# Altium PCB BreakOutBoard_Cyclone.PcbDoc (part 1 of 7)
Units mm, origin at the board's own origin, x right, y up, seen from the top; angles counter-clockwise.
Board outline 360 x 235.6 mm, 2 copper layers (Top Layer, Bottom Layer); 147 components, 203 nets, 2829 pads, 104 vias.
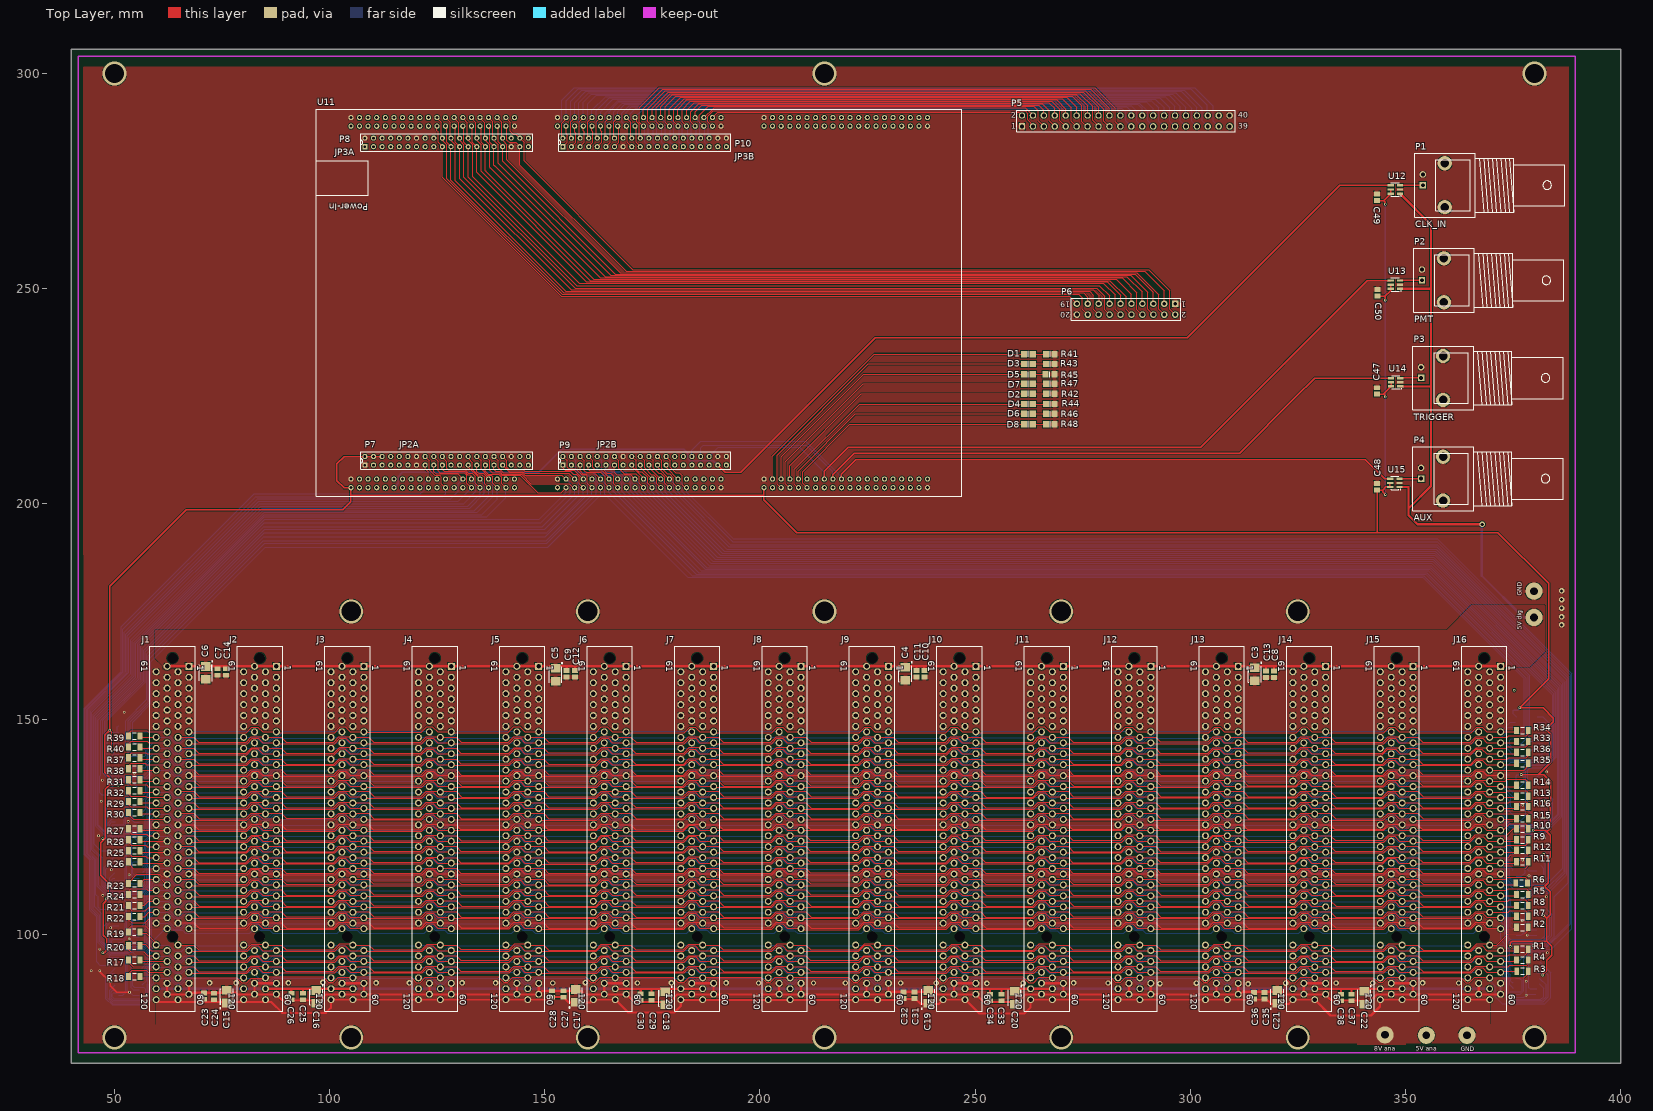
[diagram p0: Top Layer view]
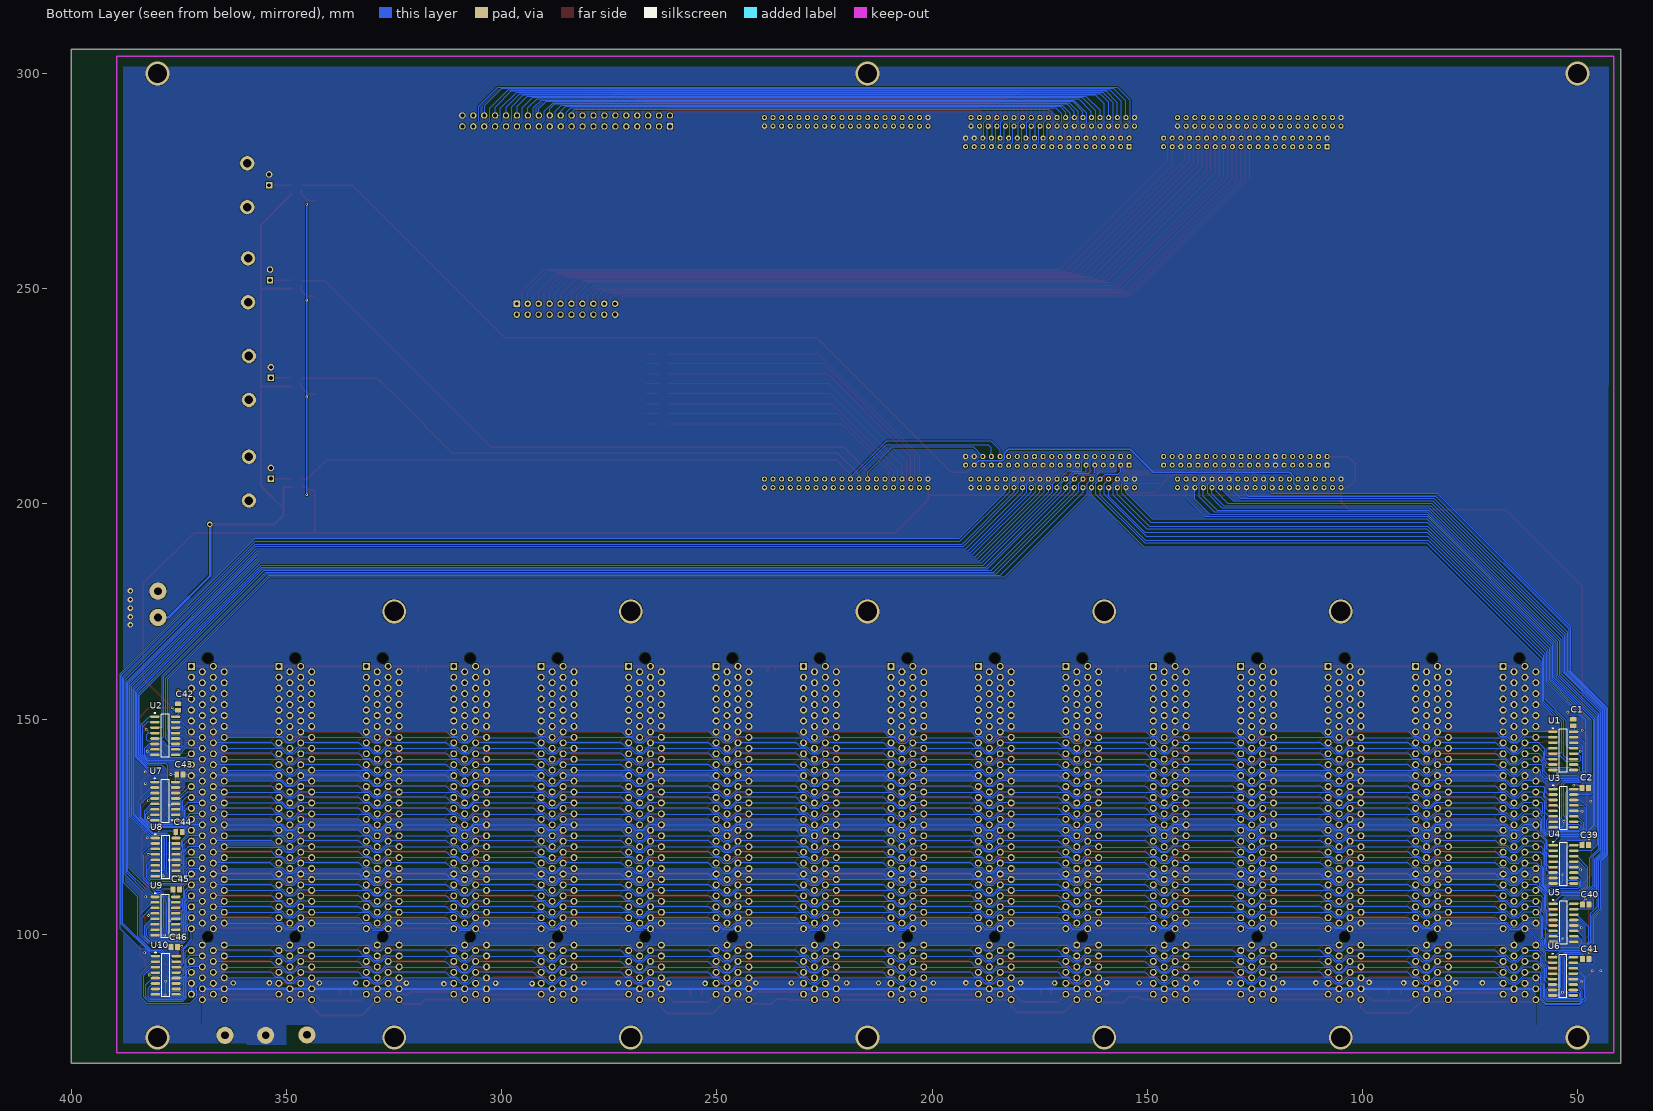
[diagram p1: Bottom Layer view, seen from below]

## Layer stack, top to bottom
Top Layer: signal copper 0.0356
Dielectric: dielectric 0.32, FR-4, Dk 4.8
Bottom Layer: signal copper 0.0356

## Board outline
40,70 40,305.6 400,305.6 400,70

## Design rules (kind name [scope] priority, off if disabled: settings)
Clearance Clearance_Polygon [InPolygon] p1: gap=0.175
Clearance [All] p2: gap=0.15
HoleSize [All] p1: absolutevalues=TRUE maxlimit=10 minlimit=0.025 maxpercent=80.000 minpercent=20.000
MinimumSolderMaskSliver [All] p1: minsoldermaskwidth=0.127
PolygonConnect PolygonConnect_power_analog8 [InNet('8V_BUS') vs (InPadClass('All Pads'))] p1: connectstyle=Direct reliefconductorwidth=0.254 reliefentries=4 polygonreliefangle="90 Angle"
PolygonConnect PolygonConnect_power_analog5 [InNet('5V_ANA_BUS') vs (InPadClass('All Pads'))] p2: connectstyle=Direct reliefconductorwidth=0.254 reliefentries=4 polygonreliefangle="90 Angle"
PolygonConnect [All] p3: connectstyle=Relief reliefconductorwidth=1 reliefentries=4 polygonreliefangle="90 Angle"
RoomDefinition BreakOutBoard_Cyclone [InComponentClass('BreakOutBoard_Cyclone')] p1: confinementstyle=ConfineIn formatcopy=TRUE lockcomponents=FALSE outline 101.346,57.658 111.506,57.658 111.506,50.038 101.346,50.038
RoutingVias [All] p1: holewidth=0.3 width=0.6 viastyle="Through Hole" minholewidth=0.3 minwidth=0.6 maxholewidth=0.711 maxwidth=1.27
SilkToSilkClearance [All] p1: silktosilkclearance=0.127
SilkscreenOverComponentPads [All] p1: minsilkscreentomaskgap=0.254
SolderMaskExpansion [All] p1: expansion=0.102
Width [All] p1: maxlimit=0.5 minlimit=0.15 preferedwidth=0.5
24 further rules are at their usual default settings.

## Components (designator, comment, footprint, x,y, rotation, side; value= is the part's Value field where it differs from the comment)
C1 "Cap Semi" CAPC2012L 51,149.2 r90 bottom
C2 "Cap Semi" CAPC2012L 48.2,134 r180 bottom
C3 "Cap Pol1" B 315,160.4 r270 top
C4 "Cap Pol1" B 233.8,160.5 r270 top
C5 "Cap Pol1" B 152.5,160.3 r270 top
C6 "Cap Pol1" B 71.2,160.7 r270 top
C7 "Cap Semi" CAPC2012L 73.9,160.9 r90 top
C8 "Cap Semi" CAPC2012L 319.5,160.4 r90 top
C9 "Cap Semi" CAPC2012L 155.1,160.5 r90 top
C10 "Cap Semi" CAPC2012L 238.2,160.5 r90 top
C11 "Cap Semi" CAPC2012L 236.4,160.5 r90 top
C12 "Cap Semi" CAPC2012L 157,160.5 r90 top
C13 "Cap Semi" CAPC2012L 317.6,160.4 r90 top
C14 "Cap Semi" CAPC2012L 75.9,160.9 r90 top
C15 "Cap Pol1" B 76.1,85.5 r90 top
C16 "Cap Pol1" B 96.9,85.4 r270 top
C17 "Cap Pol1" B 157.25,85.65 r90 top
C18 "Cap Pol1" B 178,85.1 r270 top
C19 "Cap Pol1" B 239.1,85.4 r90 top
C20 "Cap Pol1" B 259.2,85.2 r270 top
C21 "Cap Pol1" B 320.2,85.4 r90 top
C22 "Cap Pol1" B 340.4,85.2 r270 top
C23 "Cap Semi" CAPC2012L 70.8,85.6 r270 top
C24 "Cap Semi" CAPC2012L 73.1,85.5 r270 top
C25 "Cap Semi" CAPC2012L 93.8,85.5 r90 top
C26 "Cap Semi" CAPC2012L 91.1,85.5 r90 top
C27 "Cap Semi" CAPC2012L 154.4,86.1 r270 top
C28 "Cap Semi" CAPC2012L 151.7,86.1 r270 top
C29 "Cap Semi" CAPC2012L 174.8,85.4 r90 top
C30 "Cap Semi" CAPC2012L 172.3,85.4 r90 top
C31 "Cap Semi" CAPC2012L 235.9,85.8 r270 top
C32 "Cap Semi" CAPC2012L 233.4,85.8 r270 top
C33 "Cap Semi" CAPC2012L 256.1,85.3 r90 top
C34 "Cap Semi" CAPC2012L 253.5,85.3 r90 top
C35 "Cap Semi" CAPC2012L 317.3,85.7 r270 top
C36 "Cap Semi" CAPC2012L 314.8,85.7 r270 top
C37 "Cap Semi" CAPC2012L 337.5,85.3 r90 top
C38 "Cap Semi" CAPC2012L 335,85.3 r90 top
C39 "Cap Semi" CAPC2012L 48.2,120.7 r180 bottom
C40 "Cap Semi" CAPC2012L 48.1,106.9 r180 bottom
C41 "Cap Semi" CAPC2012L 48.1,94.2 r180 bottom
C42 "Cap Semi" CAPC2012L 375.2,152.8 r90 bottom
C43 "Cap Semi" CAPC2012L 374.8,137.1 r180 bottom
C44 "Cap Semi" CAPC2012L 375,123.7 r180 bottom
C45 "Cap Semi" CAPC2012L 375.65,110.4 r180 bottom
C46 "Cap Semi" CAPC2012L 376.1,96.99 r0 bottom
C47 "Cap Semi" CAPC2012L 343.45,226.25 r270 top
C48 "Cap Semi" CAPC2012L 343.45,203.95 r270 top
C49 "Cap Semi" CAPC2012L 343.35,271.25 r270 top
C50 "Cap Semi" CAPC2012L 343.55,249.05 r270 top
D1 "LED" RESC2012M 262.4,234.8 r0 top
D2 "LED" RESC2012M 262.4,225.6 r0 top
D3 "LED" RESC2012M 262.4,232.5 r0 top
D4 "LED" RESC2012M 262.4,223.2 r0 top
D5 "LED" RESC2012M 262.4,230.1 r0 top
D6 "LED" RESC2012M 262.4,220.9 r0 top
D7 "LED" RESC2012M 262.4,227.9 r0 top
D8 "LED" RESC2012M 262.4,218.5 r0 top
J1 "1-145154-2" 1-145154-2 63.5,124.46 r270 top locked
J2 "1-145154-2" 1-145154-2 83.82,124.46 r270 top locked
J3 "1-145154-2" 1-145154-2 104.14,124.46 r270 top locked
J4 "1-145154-2" 1-145154-2 124.46,124.46 r270 top locked
J5 "1-145154-2" 1-145154-2 144.78,124.46 r270 top locked
J6 "1-145154-2" 1-145154-2 165.1,124.46 r270 top locked
J7 "1-145154-2" 1-145154-2 185.42,124.46 r270 top locked
J8 "1-145154-2" 1-145154-2 205.74,124.46 r270 top locked
J9 "1-145154-2" 1-145154-2 226.06,124.46 r270 top locked
J10 "1-145154-2" 1-145154-2 246.38,124.46 r270 top locked
J11 "1-145154-2" 1-145154-2 266.7,124.46 r270 top locked
J12 "1-145154-2" 1-145154-2 287.02,124.46 r270 top locked
J13 "1-145154-2" 1-145154-2 307.34,124.46 r270 top locked
J14 "1-145154-2" 1-145154-2 327.66,124.46 r270 top locked
J15 "1-145154-2" 1-145154-2 347.98,124.46 r270 top locked
J16 "1-145154-2" 1-145154-2 368.3,124.46 r270 top locked
P1 "CLK_IN" "BNC_RA CON" 354.05,274.05 r180 top
P2 "PMT" "BNC_RA CON" 353.85,251.95 r180 top
P3 "TRIGGER" "BNC_RA CON" 353.65,229.25 r180 top
P4 "AUX" "BNC_RA CON" 353.65,205.85 r180 top
P5 "TTL_OUT_1" HDR2X20 260.9,287.7 r0 top
P6 "AUX_I/O" HDR2X10 296.5,246.5 r180 top
P7 "JP2A" connector_40pos_2mm 108.2,209 r90 top locked
P8 "JP3A" connector_40pos_2mm 108.2,283 r90 top locked
P9 "JP2B" connector_40pos_2mm 154.2,209 r90 top locked
P10 "JP3B" connector_40pos_2mm 154.2,283 r90 top locked
R1 "" RESC3216L 377.19,96.52 r180 top
R2 "" RESC3216L 377.19,101.6 r0 top
R3 "" RESC3216L 377.2,91.4 r180 top
R4 "" RESC3216L 377.19,93.98 r0 top
R5 "" RESC3216L 377.19,109.22 r0 top
R6 "" RESC3216L 377,111.9 r180 top
R7 "" RESC3216L 377.19,104.14 r0 top
R8 "" RESC3216L 377.19,106.68 r180 top
R9 "" RESC3216L 377.19,121.92 r180 top
R10 "" RESC3216L 377.19,124.46 r180 top
R11 "" RESC3216L 377.19,116.84 r180 top
R12 "" RESC3216L 377.19,119.505 r0 top
R13 "" RESC3216L 377.19,132.08 r0 top
R14 "" RESC3216L 377.19,134.62 r180 top
R15 "" RESC3216L 377.19,126.85 r0 top
R16 "" RESC3216L 377.19,129.665 r180 top
R17 "" RESC3216L 54.61,93.98 r180 top
R18 "" RESC3216L 54.61,90.17 r180 top
R19 "" RESC3216L 54.6,100.5 r0 top
R20 "" RESC3216L 54.6,97.3 r0 top
R21 "" RESC3216L 54.61,106.68 r180 top
R22 "" RESC3216L 54.6,104.1 r0 top
R23 "" RESC3216L 54.61,111.76 r180 top
R24 "" RESC3216L 54.61,109.22 r180 top
R25 "" RESC3216L 54.61,119.38 r180 top
R26 "" RESC3216L 54.61,116.84 r0 top
R27 "" RESC3216L 54.61,124.46 r180 top
R28 "" RESC3216L 54.61,121.92 r0 top
R29 "" RESC3216L 54.61,130.81 r180 top
R30 "" RESC3216L 54.61,128.27 r0 top
R31 "" RESC3216L 54.61,135.89 r180 top
R32 "" RESC3216L 54.61,133.35 r0 top
R33 "" RESC3216L 377.19,144.78 r0 top
R34 "" RESC3216L 377.19,147.32 r180 top
R35 "" RESC3216L 377.19,139.7 r0 top
R36 "" RESC3216L 377.19,142.24 r180 top
R37 "" RESC3216L 54.61,140.97 r180 top
R38 "" RESC3216L 54.61,138.43 r0 top
R39 "" RESC3216L 54.61,146.05 r180 top
R40 "" RESC3216L 54.61,143.51 r0 top
R41 "Res3" RESC2012M 267.5,234.8 r180 top
R42 "Res3" RESC2012M 267.5,225.6 r180 top
R43 "Res3" RESC2012M 267.5,232.5 r180 top
R44 "Res3" RESC2012M 267.5,223.2 r180 top
R45 "Res3" RESC2012M 267.4,230.1 r180 top
R46 "Res3" RESC2012M 267.5,220.9 r180 top
R47 "Res3" RESC2012M 267.5,227.9 r180 top
R48 "Res3" RESC2012M 267.5,218.5 r180 top
U1 "MAX3094, Rx" NSO16_N 53.325,142.6 r180 bottom
U2 "MAX3094, Rx" NSO16_N 378.2,146.1 r180 bottom
U3 "MAX3030, Tx" NSO16_N 53.275,129.275 r180 bottom
U4 "MAX3030, Tx" NSO16_N 53.275,116.225 r180 bottom
U5 "MAX3030, Tx" NSO16_N 53.275,102.65 r180 bottom
U6 "MAX3030, Tx" NSO16_N 53.4,90.2 r180 bottom
U7 "MAX3030, Tx" NSO16_N 378.2,130.9 r180 bottom
U8 "MAX3030, Tx" NSO16_N 378.1,117.9 r180 bottom
U9 "MAX3030, Tx" NSO16_N 378.175,104.2 r180 bottom
U10 "MAX3030, Tx" NSO16_N 378.07,90.44 r180 bottom
U11 "ZEM4310" ZEM4310 238.95,289.75 r180 top
U12 "SN74LVC1T45" SOT23-6 347.65,273.05 r90 top
U13 "SN74LVC1T45" SOT23-6 347.65,250.95 r90 top
U14 "SN74LVC1T45" SOT23-6 347.75,228.25 r90 top
U15 "SN74LVC1T45" SOT23-6 347.55,204.85 r90 top

## Footprints (in the part's own frame and the unit in brackets; to place one, negate y for a bottom-side part, rotate by r counter-clockwise, add the part's x,y. Pads: shape width x height; smd on the part's side, far side on the other; paste and mask are expansions set on the pad)
1-145154-2 [mm] "Connector; Card Edge .050 Series PCI; 2x60 Position; 32-Bit Bus"
  rect 1.62x1.62 hole 1.02: 1(-37.782,3.81)
  round 1.62 hole 1.02: 2(-36.512,1.27) 3(-35.242,3.81) 4(-33.972,1.27) 5(-32.703,3.81) 6(-31.432,1.27) 7(-30.162,3.81) 8(-28.892,1.27) 9(-27.622,3.81) 10(-26.352,1.27) 11(-25.082,3.81) 12(-23.812,1.27) 13(-22.543,3.81) 14(-21.273,1.27) 15(-20.002,3.81) 16(-18.732,1.27) 17(-17.462,3.81) 18(-16.192,1.27) 19(-14.922,3.81) 20(-13.652,1.27) 21(-12.383,3.81) 22(-11.112,1.27) 23(-9.842,3.81) 24(-8.572,1.27) 25(-7.302,3.81) 26(-6.032,1.27) 27(-4.763,3.81) 28(-3.492,1.27) 29(-2.223,3.81) 30(-0.953,1.27) 31(0.317,3.81) 32(1.587,1.27) 33(2.857,3.81) 34(4.127,1.27) 35(5.397,3.81) 36(6.667,1.27) 37(7.938,3.81) 38(9.207,1.27) 39(10.477,3.81) 40(11.747,1.27) 41(13.018,3.81) 42(14.287,1.27) 43(15.557,3.81) 44(16.828,1.27) 45(18.098,3.81) 46(19.367,1.27) 47(20.637,3.81) 48(21.907,1.27) 49(23.177,3.81) 50(26.987,1.27) 51(28.258,3.81) 52(29.527,1.27) 53(30.797,3.81) 54(32.067,1.27) 55(33.337,3.81) 56(34.608,1.27) 57(35.877,3.81) 58(37.148,1.27) 59(38.417,3.81) 60(39.688,1.27) 61(-37.782,-1.27) 62(-36.512,-3.81) 63(-35.242,-1.27) 64(-33.972,-3.81) 65(-32.703,-1.27) 66(-31.432,-3.81) 67(-30.162,-1.27) 68(-28.892,-3.81) 69(-27.622,-1.27) 70(-26.352,-3.81) 71(-25.082,-1.27) 72(-23.812,-3.81) 73(-22.543,-1.27) 74(-21.273,-3.81) 75(-20.002,-1.27) 76(-18.732,-3.81) 77(-17.462,-1.27) 78(-16.192,-3.81) 79(-14.922,-1.27) 80(-13.652,-3.81) 81(-12.383,-1.27) 82(-11.112,-3.81) 83(-9.842,-1.27) 84(-8.572,-3.81) 85(-7.302,-1.27) 86(-6.032,-3.81) 87(-4.763,-1.27) 88(-3.492,-3.81) 89(-2.222,-1.27) 90(-0.952,-3.81) 91(0.318,-1.27) 92(1.588,-3.81) 93(2.858,-1.27) 94(4.128,-3.81) 95(5.397,-1.27) 96(6.667,-3.81) 97(7.938,-1.27) 98(9.207,-3.81) 99(10.477,-1.27) 100(11.747,-3.81) 101(13.018,-1.27) 102(14.287,-3.81) 103(15.557,-1.27) 104(16.828,-3.81) 105(18.098,-1.27) 106(19.367,-3.81) 107(20.637,-1.27) 108(21.907,-3.81) 109(23.177,-1.27) 110(26.987,-3.81) 111(28.258,-1.27) 112(29.527,-3.81) 113(30.797,-1.27) 114(32.067,-3.81) 115(33.337,-1.27) 116(34.608,-3.81) 117(35.877,-1.27) 118(37.148,-3.81) 119(38.417,-1.27) 120(39.688,-3.81)
  round 2.14 hole 2.44: 121(-39.688,0) 122(25.082,0)
  silkscreen extent -42.42,-5.26 42.42,5.26
B [mm] "Capacitor, SM Tantalum; Body 3.5 x 2.8 mm (LxW typ)"
  rect 2x2.2 smd: 1(-1.5,0) 2(1.5,0)
  silkscreen extent -2.82,-1.5 1.85,1.63
"BNC_RA CON" [mm] "Connector; BNC Elbow"
  rect 1.5x1.5 hole 0.9: 1(0,0)
  round 3.3 hole 2: 2(-5.1,5.1) 2(-5.1,-5.1)
  round 1.5 hole 0.9: 2(0,-2.5)
  silkscreen extent -33,-7.4 1.9,7.4
CAPC2012L [mm] "Chip Capacitor, Body 2.0x1.3mm, IPC High Density"
  rect 1.1x1.4 smd: 1(-0.75,0) 2(0.75,0)
  body extent -1.1,-0.72 1.1,0.72, height 1.4
connector_40pos_2mm [mm]
  rect 1.2x1.2 hole 0.6: 1(0,0)
  round 1.2 hole 0.6: 2(2,0) 3(0,-2) 4(2,-2) 5(0,-4) 6(2,-4) 7(0,-6) 8(2,-6) 9(0,-8) 10(2,-8) 11(0,-10) 12(2,-10) 13(0,-12) 14(2,-12) 15(0,-14) 16(2,-14) 17(0,-16) 18(2,-16) 19(0,-18) 20(2,-18) 21(0,-20) 22(2,-20) 23(0,-22) 24(2,-22) 25(0,-24) 26(2,-24) 27(0,-26) 28(2,-26) 29(0,-28) 30(2,-28) 31(0,-30) 32(2,-30) 33(0,-32) 34(2,-32) 35(0,-34) 36(2,-34) 37(0,-36) 38(2,-36) 39(0,-38) 40(2,-38)
  silkscreen extent -1.02,-39 3.05,1
HDR2X10 [mm] "Connector; Header; 10x2 Position"
  rect 1.5x1.5 hole 0.9: 1(0,0)
  round 1.5 hole 0.9: 2(0,2.54) 3(2.54,0) 4(2.54,2.54) 5(5.08,0) 6(5.08,2.54) 7(7.62,0) 8(7.62,2.54) 9(10.16,0) 10(10.16,2.54) 11(12.7,0) 12(12.7,2.54) 13(15.24,0) 14(15.24,2.54) 15(17.78,0) 16(17.78,2.54) 17(20.32,0) 18(20.32,2.54) 19(22.86,0) 20(22.86,2.54)
  silkscreen extent -1.27,-1.27 24.13,3.81
HDR2X20 [mm] "Connector; Header; 20x2 Position"
  rect 1.5x1.5 hole 0.9: 1(0,0)
  round 1.5 hole 0.9: 2(0,2.54) 3(2.54,0) 4(2.54,2.54) 5(5.08,0) 6(5.08,2.54) 7(7.62,0) 8(7.62,2.54) 9(10.16,0) 10(10.16,2.54) 11(12.7,0) 12(12.7,2.54) 13(15.24,0) 14(15.24,2.54) 15(17.78,0) 16(17.78,2.54) 17(20.32,0) 18(20.32,2.54) 19(22.86,0) 20(22.86,2.54) 21(25.4,0) 22(25.4,2.54) 23(27.94,0) 24(27.94,2.54) 25(30.48,0) 26(30.48,2.54) 27(33.02,0) 28(33.02,2.54) 29(35.56,0) 30(35.56,2.54) 31(38.1,0) 32(38.1,2.54) 33(40.64,0) 34(40.64,2.54) 35(43.18,0) 36(43.18,2.54) 37(45.72,0) 38(45.72,2.54) 39(48.26,0) 40(48.26,2.54)
  silkscreen extent -1.27,-1.27 49.53,3.81
NSO16_N [mm] "16-Pin Small Outline Integrated Circuit 1.27 mm Pitch, IPC Medium Density"
  oval 2.2x0.6 smd: 1(-2.4,4.445) 2(-2.4,3.175) 3(-2.4,1.905) 4(-2.4,0.635) 5(-2.4,-0.635) 6(-2.4,-1.905) 7(-2.4,-3.175) 8(-2.4,-4.445) 9(2.4,-4.445) 10(2.4,-3.175) 11(2.4,-1.905) 12(2.4,-0.635) 13(2.4,0.635) 14(2.4,1.905) 15(2.4,3.175) 16(2.4,4.445)
  silkscreen extent -2.53,-5 0.9,5.42, body extent -1.95,-4.95 1.95,4.95, height 1.75
RESC2012M [mm] "Chip Resistor, Body 2.0x1.2mm, IPC Low Density"
  rect 1.4x1.5 smd: 1(-1,0) 2(1,0)
  silkscreen extent 0,-0.65 0,0.65, body extent -1.07,-0.7 1.07,0.7, height 0.7
RESC3216L [mm] "Chip Resistor, Body 3.1x1.6mm, IPC High Density"
  rect 1.1x1.7 smd: 1(-1.35,0) 2(1.35,0)
  silkscreen extent -0.4,-0.75 0.4,0.75, body extent -1.68,-0.87 1.68,0.87, height 2.54
SOT23-6 [mm] "SOT-457/SC-74; 6 Leads; Body 3 x 3 mm, inc. leads (LxW max)"
  rect 0.55x1.45 smd: 1(-0.95,-1.075) 2(0,-1.075) 3(0.95,-1.075) 4(0.95,1.075) 5(0,1.075) 6(-0.95,1.075)
  silkscreen extent -1.57,-1.35 1.55,0.9
ZEM4310 [mm]
  round 1.2 hole 0.7: 1A1(134,86) 1A2(134,84) 1A3(132,86) 1A4(132,84) 1A5(130,86) 1A6(130,84) 1A7(128,86) 1A8(128,84) 1A9(126,86) 1A10(126,84) 1A11(124,86) 1A12(124,84) 1A13(122,86) 1A14(122,84) 1A15(120,86) 1A16(120,84) 1A17(118,86) 1A18(118,84) 1A19(116,86) 1A20(116,84) 1A21(114,86) 1A22(114,84) 1A23(112,86) 1A24(112,84) 1A25(110,86) 1A26(110,84) 1A27(108,86) 1A28(108,84) 1A29(106,86) 1A30(106,84) 1A31(104,86) 1A32(104,84) 1A33(102,86) 1A34(102,84) 1A35(100,86) 1A36(100,84) 1A37(98,86) 1A38(98,84) 1A39(96,86) 1A40(96,84) 1B1(86,86) 1B2(86,84) 1B3(84,86) 1B4(84,84) 1B5(82,86) 1B6(82,84) 1B7(80,86) 1B8(80,84) 1B9(78,86) 1B10(78,84) 1B11(76,86) 1B12(76,84) 1B13(74,86) 1B14(74,84) 1B15(72,86) 1B16(72,84) 1B17(70,86) 1B18(70,84) 1B19(68,86) 1B20(68,84) 1B21(66,86) 1B22(66,84) 1B23(64,86) 1B24(64,84) 1B25(62,86) 1B26(62,84) 1B27(60,86) 1B28(60,84) 1B29(58,86) 1B30(58,84) 1B31(56,86) 1B32(56,84) 1B33(54,86) 1B34(54,84) 1B35(52,86) 1B36(52,84) 1B37(50,86) 1B38(50,84) 1B39(48,86) 1B40(48,84) 1C1(38,86) 1C2(38,84) 1C3(36,86) 1C4(36,84) 1C5(34,86) 1C6(34,84) 1C7(32,86) 1C8(32,84) 1C9(30,86) 1C10(30,84) 1C11(28,86) 1C12(28,84) 1C13(26,86) 1C14(26,84) 1C15(24,86) 1C16(24,84) 1C17(22,86) 1C18(22,84) 1C19(20,86) 1C20(20,84) 1C21(18,86) 1C22(18,84) 1C23(16,86) 1C24(16,84) 1C25(14,86) 1C26(14,84) 1C27(12,86) 1C28(12,84) 1C29(10,86) 1C30(10,84) 1C31(8,86) 1C32(8,84) 1C33(6,86) 1C34(6,84) 1C35(4,86) 1C36(4,84) 1C37(2,86) 1C38(2,84) 1C39(0,86) 1C40(0,84) 2A1(0,0) 2A2(0,2) 2A3(2,0) 2A4(2,2) 2A5(4,0) 2A6(4,2) 2A7(6,0) 2A8(6,2) 2A9(8,0) 2A10(8,2) 2A11(10,0) 2A12(10,2) 2A13(12,0) 2A14(12,2) 2A15(14,0) 2A16(14,2) 2A17(16,0) 2A18(16,2) 2A19(18,0) 2A20(18,2) 2A21(20,0) 2A22(20,2) 2A23(22,0) 2A24(22,2) 2A25(24,0) 2A26(24,2) 2A27(26,0) 2A28(26,2) 2A29(28,0) 2A30(28,2) 2A31(30,0) 2A32(30,2) 2A33(32,0) 2A34(32,2) 2A35(34,0) 2A36(34,2) 2A37(36,0) 2A38(36,2) 2A39(38,0) 2A40(38,2) 2B1(48,0) 2B2(48,2) 2B3(50,0) 2B4(50,2) 2B5(52,0) 2B6(52,2) 2B7(54,0) 2B8(54,2) 2B9(56,0) 2B10(56,2) 2B11(58,0) 2B12(58,2) 2B13(60,0) 2B14(60,2) 2B15(62,0) 2B16(62,2) 2B17(64,0) 2B18(64,2) 2B19(66,0) 2B20(66,2) 2B21(68,0) 2B22(68,2) 2B23(70,0) 2B24(70,2) 2B25(72,0) 2B26(72,2) 2B27(74,0) 2B28(74,2) 2B29(76,0) 2B30(76,2) 2B31(78,0) 2B32(78,2) 2B33(80,0) 2B34(80,2) 2B35(82,0) 2B36(82,2) 2B37(84,0) 2B38(84,2) 2B39(86,0) 2B40(86,2) 2C1(96,0) 2C2(96,2) 2C3(98,0) 2C4(98,2) 2C5(100,0) 2C6(100,2) 2C7(102,0) 2C8(102,2) 2C9(104,0) 2C10(104,2) 2C11(106,0) 2C12(106,2) 2C13(108,0) 2C14(108,2) 2C15(110,0) 2C16(110,2) 2C17(112,0) 2C18(112,2) 2C19(114,0) 2C20(114,2) 2C21(116,0) 2C22(116,2) 2C23(118,0) 2C24(118,2) 2C25(120,0) 2C26(120,2) 2C27(122,0) 2C28(122,2) 2C29(124,0) 2C30(124,2) 2C31(126,0) 2C32(126,2) 2C33(128,0) 2C34(128,2) 2C35(130,0) 2C36(130,2) 2C37(132,0) 2C38(132,2) 2C39(134,0) 2C40(134,2)
  silkscreen extent -8,-2 142,88

## Part data
C1 C2 C7 C8 C9 C10 C11 C12 C13 C14 C23 C24 C25 C26 C27 C28 C29 C30 C31 C32 C33 C34 C35 C36 C37 C38 C39 C40 C41 C42 C43 C44 C45 C46 C47 C48 C49 C50: "Capacitor (Semiconductor SIM Model)"
C3 C4 C5 C6 C15 C16 C17 C18 C19 C20 C21 C22: "Polarized Capacitor (Radial)"
D1 D2 D3 D4 D5 D6 D7 D8: library part LED3, "Typical BLUE SiC LED"
J1 J2 J3 J4 J5 J6 J7 J8 J9 J10 J11 J12 J13 J14 J15 J16: "Connector Assembly, 60 Dual Position, 1.27 [.050] Series, Standard Edge"
P1 P2 P3 P4: library part BNC, "BNC Elbow Connector"
P5: library part "Header 20X2", "Header, 20-Pin, Dual row"
P6: library part "Header 10X2", "Header, 10-Pin, Dual row"
P7 P8 P9 P10: library part CONN_40_2mm, "2 mm connector 40 positions"
R1 R2 R3 R4 R5 R6 R7 R8 R9 R10 R11 R12 R13 R14 R15 R16 R17 R18 R19 R20 R21 R22 R23 R24 R25 R26 R27 R28 R29 R30 R31 R32 R33 R34 R35 R36 R37 R38 R39 R40: library part Res3, "Resistor"
R41 R42 R43 R44 R45 R46 R47 R48: "Resistor"
U1 U2: library part MAX3094, "Differential Line Receivers"
U3 U4 U5 U6 U7 U8 U9 U10: library part MAX3030, "Differential Line Transmitter"
U11: "ZEM4310 breakout module"
U12 U13 U14 U15: "Logic Translator (Bidirectional)"

## Free pads (board coordinates)
  round 4 hole 1.8: 0(345.25,76.6) 0(354.85,76.5) 0(364.3,76.5) 0(379.9,173.6) 0(379.9,179.7)

## Via types
v1: diameter 0.6, hole 0.3, Top Layer to Bottom Layer, 53 vias
v2: diameter 1.27, hole 0.711, Top Layer to Bottom Layer, 36 vias
v3: diameter 5.5, hole 4.5, Top Layer to Bottom Layer, 15 vias

## Nets (pads, with @x,y where several pads share a name; then routed paths per layer and width w, separated by ;. In a path a pad name is that pad's centre, name@x,y a point inside that pad or via, vN(x,y) a via of type N, cw(c..) or ccw(c..) an arc to the next point about the centre after c; other vN are vias at no path point)
3.3V_DIG: C1.1 C2.1 C39.1 C40.1 C41.1 C42.1 C43.1 C44.1 C45.1 C46.1 C47.2 C48.2 C49.2 C50.2 P7.2 P7.4 P7.6 U1.4 U1.12 U1.16 U2.4 U2.12 U2.16 U3.4 U3.16 U4.4 U4.16 U5.4 U5.16 U6.4 U6.16 U7.4 U7.16 U8.4 U8.16 U9.4 U9.16 U10.4 U10.16 U11.1A1 U11.1C1 U12.5 U12.6 U13.5 U13.6 U14.5 U14.6 U15.5 U15.6 | length 903.2
  Top Layer w0.15: v1(48.9,147.4) 49.4,146.9 v1(49.4,142.5)
  Top Layer w0.3: v1(47.3,95.69) 47.61,95.69 48.2,96.28 48.2,99 47.4,99.8 47.4,107.1 48.6,108.3 48.6,111.9 46.8,113.7 46.8,121.2 47.9,122.3 47.9,133.7 48.8,134.6 ; v1(50.9,134.6) 48.8,134.6 ; U11.1A1@104.9,203.8 U11.1A1@104.9,203.75 ; U11.1A1@104.95,203.75 U11.1A1@104.9,203.75 ; P7.6@112.2,211 103.4,211 101.7,209.3 101.7,205.4 103.35,203.75 U11.1A1@104.9,203.75 ; 200.9,202 104.9,202 ; U11.1C1@200.9,203.8 200.9,201 208.6,193.3 343.45,193.3 ; C47.2@343.35,225.45 344.825,225.45 345.237,225.862 ; C49.2@343.35,270.45 344.95,270.45 ; 343.45,201.65 343.45,201.95 ; C48.2@343.45,203.15 343.45,201.95 ; C48.2@343.45,203.2 344.7,203.2 ; C50.2@343.55,248.25 345.25,248.25 346.575,249.575 U13.6@346.575,250 ; 345.25,248.15 345.35,248.05 v1(345.35,247.35) ; v1(345.35,202.15) 344.7,202.8 344.7,203.2 ; v1(345.35,224.85) 345.237,224.963 345.237,225.862 ; v1(345.35,269.65) 345.35,270.05 344.95,270.45 ; U15.6@346.35,203.85 U15.6@346.4,203.9 ; U15.5@346.475,204.85 346.35,204.725 346.35,203.95 345.45,203.95 344.7,203.2 ; U13.6@346.5,250 U13.6@346.575,250 ; U12.6@346.55,272.15 346.575,272.175 U12.5@346.575,273.05 ; U13.5@346.575,250.925 U13.6@346.575,250 ; U12.6@346.6,272.1 344.95,270.45 ; U14.6@346.675,227.3 345.237,225.862 ; U14.6@346.7,227.3 U14.5@346.7,228.1 ; v1(374.35,97.15) 374.35,97.95 374.8,98.4 382.8,98.4 ; v1(376.9,137.1) 380.9,137.1 ; v1(379.73,124.16) 382.54,124.16 382.9,123.8 ; v1(379.9,110.65) 379.9,110.82 380.15,111.07 382.33,111.07 383.6,109.8 383.6,104.5 382.8,103.7 ; v1(381.94,90.51) 381.94,90.64 382.8,91.5 382.8,93.9 384,95.1 384,97.2 382.8,98.4 ; v1@382.1,104.4 382.8,103.7 ; v1(382.1,131) 383.6,129.5 383.6,124.5 382.9,123.8 ; v1(382.165,118.535) 383.2,117.5 ; 382.4,111.1 383.2,111.9 383.2,117.5 ; 383,130.2 383.8,131 383.8,135.4 382.1,137.1 380.9,137.1 ; 48.8,134.6 48.8,136.5 47.7,137.6 47.7,146.2 v1(48.9,147.4) 48.9,180.8 66.7,198.6 103,198.6 104.9,200.5 104.9,202 ; 104.9,202 U11.1A1@104.9,203.75 ; 343.45,193.3 343.45,201.95 ; 343.45,193.3 371.5,193.3 383.3,181.5 383.3,159.3 v1(376.6,152.6) 382,152.6 384.4,150.2 384.4,149.4 v1(382.6,147.6) 383.8,146.4 383.8,140 380.9,137.1 ; 382.8,98.4 382.8,103.7 ; 382.9,123.8 383.7,123 383.7,118 383.2,117.5
  Bottom Layer w0.15: v1(47.3,95.69) 48.15,95.69 48.85,94.99 C41.1@48.85,94.2 ; C41.1@48.7,94.6 48.745,94.645 U6.16@51,94.645 ; C40.1@48.9,107 48.945,107.045 U5.16@51,107.045 ; v1(48.9,147.4) 49.355,146.945 U1.16@51,146.945 ; C2.1@48.95,134 49.2,134 49.8,134.6 v1(50.9,134.6) ; C39.1@49,120.7 49.055,120.645 U4.16@51,120.645 ; C2.1@49,133.9 49.255,133.645 U3.16@51,133.645 ; v1(49.4,142.5) 50.035,141.865 U1.12@51,141.865 ; U1.12@50.1,142 49.3,141.2 49.3,140.4 49.68,140.02 52.62,140.02 53.96,141.36 57.06,141.36 57.3,141.6 57.3,142.7 56.865,143.135 U1.4@55.8,143.135 ; U1.16@50.7,147 50.7,148.15 C1.1@51,148.45 ; U6.16@51.8,94.6 52.59,93.81 52.59,86.84 52.14,86.39 49.79,86.39 49.5,86.1 49.5,85.5 50,85 56.8,85 57.3,85.5 57.3,87.246 56.846,87.7 54.6,87.7 54.3,88 54.3,90.3 54.835,90.835 U6.4@55.8,90.835 ; U5.16@51.9,107 52.5,106.4 52.5,99.3 52,98.8 49.72,98.8 49.41,98.49 49.41,97.93 49.74,97.6 56.65,97.6 57,97.95 57,100 54.6,100 54.3,100.3 54.3,102.946 54.589,103.235 U5.4@55.8,103.235 ; U4.16@51.9,120.6 52.5,120 52.5,112.8 52.1,112.4 49.9,112.4 49.52,112.02 49.52,111.334 49.674,111.18 56.617,111.18 57.08,111.643 57.08,113.52 56.9,113.7 54.7,113.7 54.3,114.1 54.3,116.6 54.535,116.835 U4.4@55.8,116.835 ; U3.16@51.9,133.6 52.69,132.81 52.69,127.39 52.28,126.98 52.28,125.634 52.046,125.4 49.6,125.4 49.3,125.1 49.3,124.7 49.93,124.07 56.68,124.07 57.2,124.59 57.2,126.5 57,126.7 54.6,126.7 54.1,127.2 54.1,129.2 54.735,129.835 U3.4@55.8,129.835 ; v1(374.35,97.15) 374.35,97.28 375.06,97.28 C46.1@375.35,96.99 ; C42.1@375.1,152 375.1,151.245 U2.16@375.8,150.545 ; C46.1@375.16,96.81 375.16,95.395 U10.16@375.67,94.885 ; U9.16@375.7,108.645 376.09,109.035 C45.1@376.09,110.41 ; U8.16@375.7,122.345 C44.1@375.7,123.6 ; C43.1@375.7,136.9 375.8,136.8 U7.16@375.8,135.345 ; C44.1@375.75,123.7 376,123.95 379.65,123.95 v1@379.8,124.1 ; C43.1@375.75,137.1 v1(376.9,137.1) ; U2.12@375.8,145.465 374.565,145.465 374.19,145.09 374.19,144.05 374.69,143.55 377.45,143.55 378.7,144.8 382.2,144.8 382.5,145.1 382.5,146.3 382.1,146.7 ; C45.1@376.15,110.4 C45.1@376.4,110.4 379.48,110.4 379.9,110.82 v1(379.9,110.65) ; U10.4@380.47,91.075 381.375,91.075 v1(381.94,90.51) ; U9.4@380.5,104.835 381.585,104.835 v1(382.09,104.33) ; U2.4@380.5,146.7 382.1,146.7 ; U7.4@380.6,131.535 381.565,131.535 v1(382.1,131) ; 381.765,118.535 U8.4@380.5,118.535 v1(382.165,118.535) ; v1(382.6,147.6) 382.1,147.1 382.1,146.7
  Bottom Layer w0.3: v1(47.25,122.21) 47.99,122.21 48.8,121.4 C39.1@48.8,121.1 ; v1(48.07,108.25) 48.85,107.47 C40.1@48.85,107 ; v1(345.35,202.15) v1(345.35,224.85) v1(345.35,247.35) v1(345.35,269.65) ; C42.1@375.2,152.05 376.05,152.05 v1(376.6,152.6)
5V_ANA_BUS: C16.1 C18.1 C20.1 C22.1 C25.2 C26.2 C29.2 C30.2 C33.2 C34.2 C37.2 C38.2 J1.58 J1.118 J2.58 J2.118 J3.58 J3.118 J4.58 J4.118 J5.58 J5.118 J6.58 J6.118 J7.58 J7.118 J8.58 J8.118 J9.58 J9.118 J10.58 J10.118 J11.58 J11.118 J12.58 J12.118 J13.58 J13.118 J14.58 J14.118 J15.58 J15.118 J16.58 J16.118 pad.0@354.85,76.5 | length 399.1
  Top Layer w0.5: J2.58@85.09,87.312 C16.1@96.588,87.312 ; C26.2@91.1,86.25 91.1,87.2 ; C25.2@93.8,86.25 93.8,87.2 ; C16.1@96.812,87.312 J3.118@100.33,87.312 J3.58@105.41,87.312 ; J6.58@166.37,87.312 J7.118@181.61,87.312 J7.58@186.688,87.312 ; C30.2@172.3,86.15 172.3,87.1 ; C29.2@174.8,86.15 174.8,87.1 ; J10.58@247.65,87.312 J11.118@262.89,87.312 J11.58@267.97,87.312 J11.58@267.988,87.312 ; C34.2@253.5,86.05 253.5,87.2 ; C33.2@256.1,86.05 256.1,87.1 ; J14.58@328.93,87.312 J15.118@344.17,87.312 J15.58@349.25,87.312 J15.58@349.288,87.312 ; C38.2@335,86.05 335,87.2 ; C37.2@337.5,86.05 337.5,87.1
  Bottom Layer w0.5: J1.118@59.69,87.312 J1.58@64.77,87.312 J2.118@80.01,87.312 J2.58@85.09,87.312 J3.118@100.33,87.312 J3.58@105.41,87.312 J4.118@120.65,87.312 J4.58@125.73,87.312 J5.118@140.97,87.312 J5.58@146.05,87.312 J6.118@161.29,87.312 J6.58@166.37,87.312 J7.118@181.61,87.312 J7.58@186.69,87.312 J8.118@201.93,87.312 J8.58@207.01,87.312 J9.118@222.25,87.312 J9.58@227.33,87.312 J10.118@242.57,87.312 J10.58@247.65,87.312 J11.118@262.89,87.312 J11.58@267.97,87.312 J12.118@283.21,87.312 J12.58@288.29,87.312 J13.118@303.53,87.312 J13.58@308.61,87.312 J14.118@323.85,87.312 J14.58@328.93,87.312 J15.118@344.17,87.312 J15.58@349.25,87.312 J16.118@364.49,87.312 369.488,87.312 J16.58@369.5,87.3
5V_DIG_BUS: C3.1 C4.1 C5.1 C6.1 C7.2 C8.2 C9.2 C10.2 C11.2 C12.2 C13.2 C14.2 J1.1 J1.61 J2.1 J2.61 J3.1 J3.61 J4.1 J4.61 J5.1 J5.61 J6.1 J6.61 J7.1 J7.61 J8.1 J8.61 J9.1 J9.61 J10.1 J10.61 J11.1 J11.61 J12.1 J12.61 J13.1 J13.61 J14.1 J14.61 J15.1 J15.61 J16.1 J16.61 pad.0@379.9,173.6 U12.1 U13.1 U14.1 U15.1 | length 463.3
  Top Layer w0.15: J1.1@67.31,162.302 J1.1@67.506,162.106
  Top Layer w0.5: J1.61@62.23,162.243 J1.1@67.31,162.243 J2.61@82.55,162.243 J2.1@87.63,162.243 J3.61@102.87,162.243 J3.1@107.95,162.243 J4.61@123.19,162.243 J4.1@128.27,162.243 J5.61@143.51,162.243 J5.1@148.59,162.243 J6.61@163.83,162.243 J6.1@168.91,162.243 J7.61@184.15,162.243 J7.1@189.23,162.243 J8.61@204.47,162.243 J8.1@209.55,162.243 J9.61@224.79,162.243 J9.1@229.87,162.243 J10.61@245.11,162.243 J10.1@250.19,162.243 J11.61@265.43,162.243 J11.1@270.51,162.243 J12.61@285.75,162.243 J12.1@290.83,162.243 J13.61@306.07,162.243 J13.1@311.15,162.243 J14.61@326.39,162.243 J14.1@331.47,162.243 J15.61@346.71,162.243 J15.1@351.79,162.243 J16.61@367.03,162.243 J16.1@372.058,162.243 ; C9.2@155.1,161.25 155.1,162.2 ; C12.2@157,161.25 157,162.2 ; C11.2@236.4,161.25 236.4,162.1 ; C10.2@238.2,161.25 238.2,162.1 ; C13.2@317.6,161.15 317.6,162.2 ; C8.2@319.5,161.15 319.5,162.2 ; U15.1@348.625,203.9 350.7,203.9 350.75,203.85 350.75,198.95 ; U13.1@348.725,250 355.9,250 355.95,250.05 ; U12.1@348.725,272.1 355.95,264.875 355.95,250.05 ; U14.1@348.825,227.3 355.9,227.3 355.95,227.35 ; v2@367.9,195.2 v2(367.85,195.25) 352.8,195.25 350.75,197.3 350.75,198.95 ; 350.75,198.95 355.95,204.15 355.95,227.35 ; 355.95,227.35 355.95,250.05
  Bottom Layer w0.5: v2@367.8,195.25 367.75,195.2 367.75,183.3 377.45,173.6 pad.0@379.9,173.6
8V_BUS: C15.1 C17.1 C19.1 C21.1 C23.2 C24.2 C27.2 C28.2 C31.2 C32.2 C35.2 C36.2 J1.60 J1.120 J2.60 J2.120 J3.60 J3.120 J4.60 J4.120 J5.60 J5.120 J6.60 J6.120 J7.60 J7.120 J8.60 J8.120 J9.60 J9.120 J10.60 J10.120 J11.60 J11.120 J12.60 J12.120 J13.60 J13.120 J14.60 J14.120 J15.60 J15.120 J16.60 J16.120 pad.0@345.25,76.6 | length 327.4
  Top Layer w0.5: J1.120@59.69,84.772 60.263,84.2 86.5,84.2 89,81.7 99.1,81.7 100.3,82.9 100.3,84.8 151.1,84.8 151.7,85.4 154.3,85.4 155.6,84.1 160.6,84.1 161.3,84.8 166.4,84.8 169.4,81.8 180.1,81.8 181.6,83.3 181.6,84.7 233.1,84.7 233.3,84.9 236.2,84.9 237.3,83.8 241.6,83.8 242.6,84.8 247.7,84.8 250.9,81.6 261.5,81.6 262.9,83 262.9,84.8 317.8,84.8 318.8,83.8 322.9,83.8 323.9,84.8 328.9,84.8 332.6,81.1 342,81.1 344.1,83.2 344.1,84.7 344.2,84.8 369.5,84.8 J16.60@369.6,84.7